# Allegro board FEMA_CBRS_1W_V0P4.brd (continued)
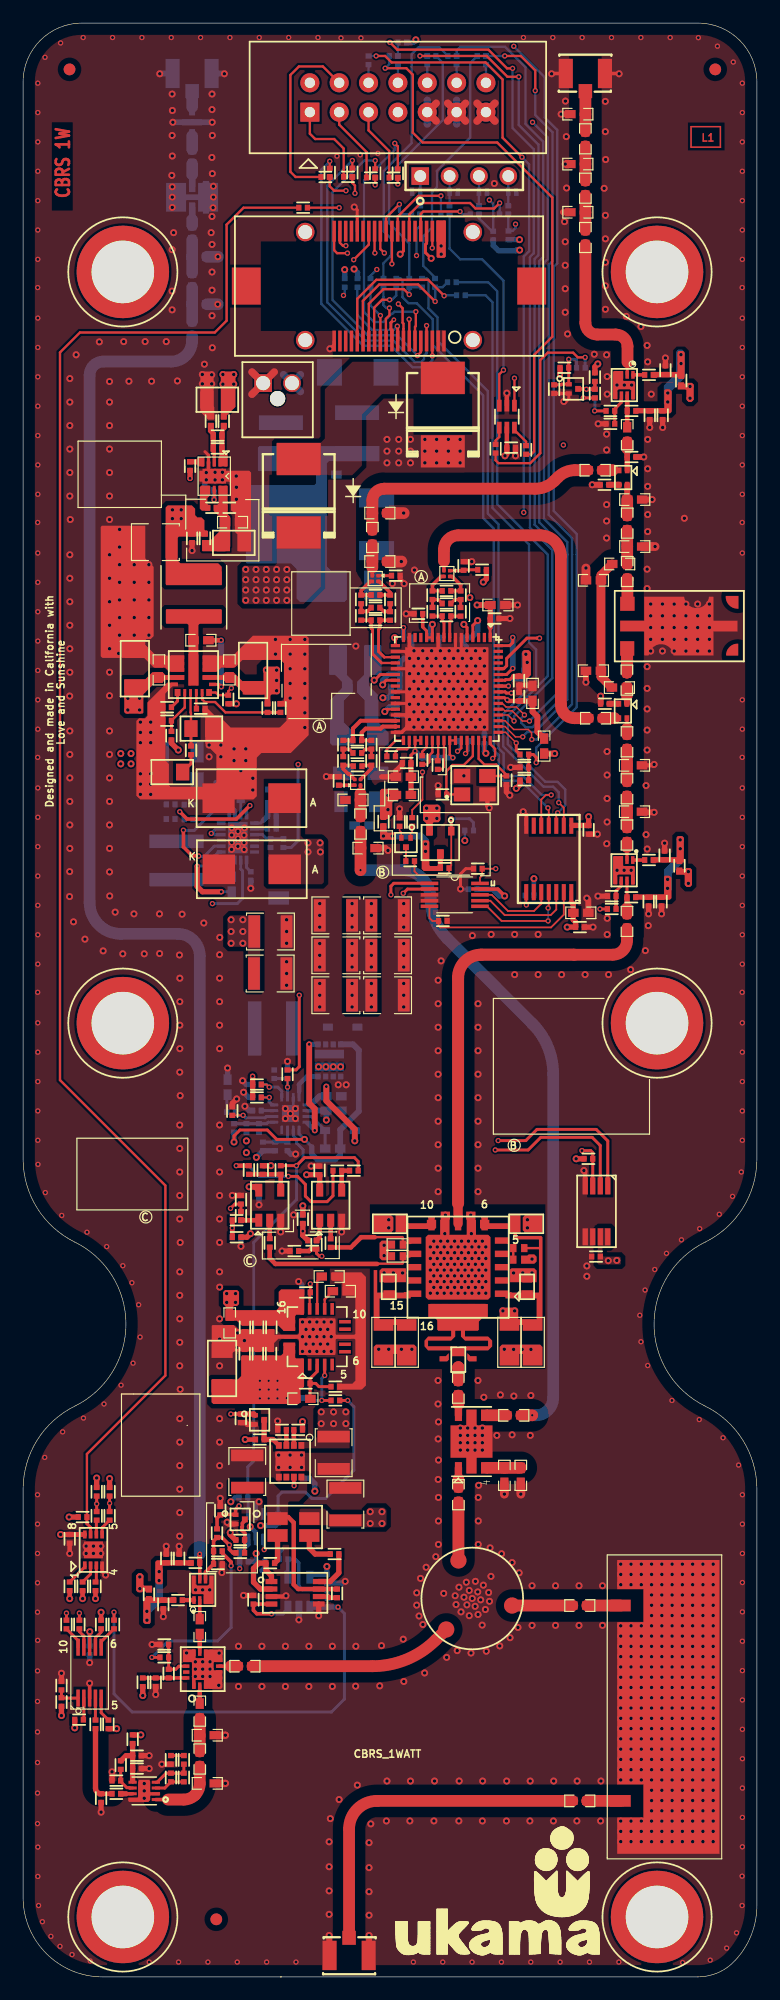
[diagram p0: board, top side]
## Copper pours and planes (outline as drawn; the poured copper is in the pictures) (continued)
GND on TOP: 49.43,64.64 49.28,64.8 48.39,64.8 48.31,64.72 48.31,63.32 48.42,63.22 48.92,63.22 49.03,63.12 49.03,62.61 48.97,62.56 48.68,62.56 48.4,62.28 48.4,60.35 48.48,60.27 49.34,60.27 49.43,60.36
GND on TOP: 24.98,83.52 26.1,83.52 26.18,83.59 26.18,93.22 26.05,93.35 25.21,93.35 25.09,93.22 25.09,92.15 24.86,91.92 22.39,91.92 22.29,91.82 22.29,85.7 22.6,85.39 24.3,85.39 24.71,84.99 24.71,83.79
GND on TOP, BOTTOM: 32.4,93.19 32.4,83.39 32.58,83.21 33.82,83.21 34.03,83.41 34.03,93.17 33.95,93.24 32.45,93.24
GND on BOTTOM: 17.14,106.93 14.57,106.93 14.47,106.83 14.47,99.97 14.57,99.87 14.9,99.87 14.93,99.9 14.93,102.16 15.15,102.39 15.61,102.39 15.64,102.41 15.64,105.08 15.69,105.13 17.11,105.13 17.39,105.41 17.39,106.68
GND on BOTTOM: 31.62,104.65 31.62,103.45 32.17,102.9 32.17,100.89 30.23,98.95 30.23,98.46 30.29,98.4 31.08,98.4 31.18,98.3 31.18,97.16 31.03,97 29.66,97 29.51,97.16 29.51,99.95 29.51,99.96 29.51,100.25 29.92,100.66 29.92,103.33 29.78,103.47 29.78,104.61 29.87,104.7 31.57,104.7
GND on BOTTOM: 24.98,83.52 26.1,83.52 26.18,83.59 26.18,93.8 26.08,93.9 21.23,93.9 21.2,93.88 21.2,92.81 21.28,92.74 21.81,92.74 22.31,92.24 22.31,91.83 22.29,91.82 22.29,85.7 22.6,85.39 24.3,85.39 24.71,84.99 24.71,83.79
GND on BOTTOM: 25.98,78.16 28.24,78.16 28.39,78 28.39,77.14 28.01,76.76 28.01,74.6 27.96,74.55 27.09,74.55 27.07,74.57 27.07,76.94 26.41,77.6 26.03,77.6 25.95,77.67 25.95,78.13
GND on BOTTOM: 30.32,139.89 30.32,137.67 30.39,137.59 31.9,137.59 32.08,137.41 32.08,135.48 32.56,135 37.95,135 38.2,135.26 38.2,138.05 37.9,138.35 33.68,138.35 33.15,138.89 33.15,139.7 32.92,139.93 30.35,139.93
GND on BOTTOM: 29.03,129.01 28.45,129.59 26.72,129.59 26.66,129.65 26.66,130.38 26.74,130.45 31.56,130.45 32.1,129.92 32.1,119.65 31.6,119.15 29.59,119.15 29.51,119.24 29.51,121.92 29.03,122.39
GND on SIG2: 6.88,1.02 2.73,2.73 1.02,6.88 1.02,42.19 2.07,45.88 4.93,48.46 9.92,56.47 4.93,64.47 2.07,67.05 1.02,70.74 1.02,163.92 2.21,166.79 5.08,167.98 58.42,167.98 61.29,166.79 62.48,163.92 62.48,70.74 61.43,67.05 58.57,64.47 53.58,56.47 58.57,48.46 61.43,45.88 62.48,42.19 62.48,6.18 62.07,3.99 60.87,2.11 59.76,1.31 58.43,1.02 ; 14 cut-outs
GND on PWR: 44.53,51.02 44.53,58.05 43.78,58.8 29.76,58.8 29.53,59.03 29.53,92.8 27.59,94.74 27.59,97.23 28.4,98.04 34.12,98.04 47.34,84.82 47.34,47.35 46.78,46.79 42.97,46.79 42.23,47.52 42.23,49.83 43.03,50.64 44.15,50.64
GND on PWR: 16.15,166.7 13.02,166.7 12.56,166.24 12.56,142.29 12.06,141.78 4.61,141.78 3.62,140.79 3.62,90.91 6.44,88.09 12.08,88.09 13.22,86.94 13.22,35.81 14.16,34.87 16.35,34.87 17.31,35.84 17.31,89.94 14.9,92.35 8.3,92.35 7.84,92.81 7.84,137.19 8.35,137.69 15.41,137.69 16.6,138.89 16.6,166.24
VCC_1V8 on TOP (solid shape): 36.11,101.22 36.11,100.05 35.93,99.87 35.53,99.87 35.45,99.8 35.45,98.78 35.4,98.73 34.94,98.73 34.89,98.78 34.89,99.77 34.61,100.05 34.61,101.24 34.76,101.4 35.93,101.4
VCC_1V8 on BOTTOM: 17.49,98.45 15.99,98.45 15.64,98.81 13.07,98.81 12.59,99.29 12.59,102.36 12.64,102.41 12.64,106.78 12.56,106.86 11.57,106.86 11.47,106.76 11.47,106.48 11.12,106.12 8.25,106.12 8.12,105.99 8.12,104.72 8.25,104.6 11.22,104.6 11.47,104.34 11.47,99.59 10.91,99.03 10.91,97.65 10.92,97.64 15.64,97.64 16.15,98.15 17.49,98.15 17.54,98.2 17.54,98.4
VCC_1V8 on SIG2: 6.58,94.87 6.02,95.42 6.02,108.03 6.84,108.84 9.7,108.84 9.7,106.76 10.1,106.76 10.1,106.3 11.05,106.3 11.05,106.76 11.51,106.76 11.51,108.84 22.12,108.84 23.04,107.92 23.04,101.24 24.54,99.75 33.25,99.75 33.71,100.2 33.71,101.42 34.01,101.73 38.86,101.73 39.09,101.49 39.09,95.46 38.51,94.87 ; 3 cut-outs
VCC_3.3V on TOP (solid shape): 36.58,151.9 36.58,148.82 36.46,148.7 35.86,148.7 35.77,148.79 35.77,151.93 36.55,151.93
VCC_3.3V on TOP (solid shape): 18.38,138.81 18.38,135.81 17.62,135.05 17.62,134.72 17.14,134.72 17.11,134.75 17.11,138.79 17.19,138.86 18.33,138.86
VCC_3.3V on TOP: 49.72,61.7 49.72,64.62 49.88,64.77 50.77,64.77 50.84,64.69 50.84,63.3 50.74,63.2 50.23,63.2 50.13,63.09 50.13,62.41 50.23,62.31 51.63,62.31 51.73,62.2 51.73,61.67 51.68,61.62 49.8,61.62
VCC_3.3V on PWR: 1.92,22.15 1.92,43.89 2.53,44.5 11.19,44.5 11.95,43.74 11.95,35.28 13.12,34.11 17.34,34.11 17.67,34.44 17.67,68.68 17.67,68.69 17.67,69.44 17.96,69.72 20.36,69.72 21.17,70.54 25.78,70.54 26.51,69.81 26.51,35.84 27.93,34.42 34.43,34.42 35.96,35.94 35.96,45.16 36.9,46.1 46.88,46.1 47.79,47.02 47.79,86 45.41,88.39 45.41,88.42 34.56,99.26 27.47,99.26 24.64,102.1 24.64,127.66 23.71,128.59 13.75,128.59 13.35,128.98 13.35,136.4 13.55,136.6 15.08,136.6 15.09,136.61 16.21,136.61 16.91,137.31 16.91,142.54 16.95,142.58 16.95,155.49 17.52,156.06 42.41,156.06 43.81,154.66 43.81,121.62 42.79,120.6 31.66,120.6 29.58,118.52 29.58,111.21 29.8,110.98 31.31,110.98 31.47,110.82 31.47,110.44 31.31,110.28 29.7,110.28 29.58,110.16 29.58,108.39 31.03,106.93 47.41,106.93 49.44,108.97 49.44,140.05 50.45,141.06 59.46,141.06 61.74,138.79 61.74,69.06 57.6,64.92 55.29,64.92 53.18,62.81 53.18,37.85 52.39,37.06 49.44,37.06 48.96,36.58 48.96,20.78 47.84,19.66 4.41,19.66
VCC_5V on TOP (solid shape): 10.42,34.72 10.42,33.9 10.48,33.84 11.14,33.84 11.17,33.82 11.17,33.39 11.12,33.34 10.35,33.34 10.28,33.27 9.93,33.27 9.79,33.42 9.79,34.73 9.97,34.91 10.23,34.91
VCC_5V on TOP (solid shape): 57.88,95.77 57.88,94.45 57.71,94.27 57.44,94.27 57.25,94.46 57.25,95.28 57.19,95.34 56.53,95.34 56.51,95.37 56.51,95.79 56.56,95.84 57.33,95.84 57.39,95.91 57.74,95.91
VCC_5V on TOP (solid shape): 58.03,137.73 58.03,136.42 57.85,136.24 57.58,136.24 57.4,136.43 57.4,137.25 57.34,137.31 56.68,137.31 56.65,137.33 56.65,137.76 56.7,137.81 57.47,137.81 57.54,137.88 57.88,137.88
VCC_5V on TOP (solid shape): 23.54,54.76 23.54,53.57 23.62,53.49 24.23,53.49 24.31,53.42 24.31,51.05 24,50.75 24,49.71 23.85,49.56 16.46,49.56 16.3,49.71 16.3,51.61 16.38,51.69 18.59,51.69 18.87,51.97 18.87,53.65 18.97,53.75 22.32,53.75 22.53,53.95 22.53,54.79 22.55,54.81 23.49,54.81
VCC_5V on SIG1: 9.65,22.99 9.65,47.88 15.16,53.39 36.47,53.39 40.87,57.79 40.87,70.08 41.83,71.04 41.83,72.42 40.28,73.97 40.28,94.41 44.03,98.17 47.84,98.17 51.44,101.76 51.44,136.14 52.2,136.91 61.21,136.91 62.07,136.05 62.07,93.56 60.2,91.69 52.58,91.69 47.88,87 47.88,76.85 52.6,72.13 52.6,39.07 48.73,35.2 48.73,21.26 48.17,20.7 11.94,20.7 ; 1 cut-out
VCC_5V5 on TOP (solid shape): 14.88,127 14.88,126.44 15.09,126.24 15.44,126.24 15.69,125.99 15.69,125.2 15.76,125.12 15.92,125.12 15.99,125.04 15.99,124.64 15.94,124.59 13.48,124.59 13.35,124.46 13.35,122.53 13.61,122.28 16.88,122.28 17.19,121.97 17.19,120.45 17.14,120.4 12.41,120.4 12.34,120.47 12.34,127.1 12.51,127.28 14.61,127.28
VCC_5V5 on TOP (solid shape): 24.33,59.41 24.33,57.38 24.23,57.28 23.64,57.28 23.54,57.18 23.54,55.96 23.47,55.88 22.55,55.88 22.09,56.34 18.92,56.34 18.5,56.76 17.53,56.76 17.52,56.77 17.52,58.01 17.31,58.22 17.31,59.23 17.49,59.41 18.51,59.41 18.69,59.23 18.69,58.22 18.51,58.04 18.25,58.04 18.15,57.94 18.15,57.73 18.21,57.67 21.93,57.67 22.12,57.86 22.12,59.26 22.32,59.46 24.28,59.46
VCC_5V5 on SIG1: 13.72,57.79 18.8,57.79 19.18,58.17 19.18,60.2 16.26,63.12 16.26,98.81 20.45,103 20.45,118.44 20.37,118.52 19,118.52 18.75,118.77 18.75,122.1 18.95,122.3 20.37,122.3 20.45,122.38 20.45,124.71 17.55,127.61 10.01,127.61 9.14,126.75 9.14,92.19 13.22,88.11 13.22,58.28 ; 4 cut-outs
VCC_5V_DRIV on TOP (solid shape): 56.11,95.08 56.11,93.31 55.97,93.18 52.98,93.18 52.94,93.21 52.94,93.62 52.97,93.64 53.33,93.64 53.34,93.63 55.45,93.63 55.47,93.65 55.47,95.17 55.55,95.25 55.94,95.25
VCC_5V_DRIV on TOP (solid shape): 57.17,98.53 57.17,96.41 57.15,96.39 54.83,96.39 54.78,96.34 54.42,96.34 54.33,96.43 54.33,96.81 54.38,96.86 56.54,96.86 56.56,96.88 56.56,98.59 56.64,98.67 57.04,98.67
VCC_5V_DRIV on BOTTOM (solid shape): 57.19,98.54 57.19,96.47 56.15,95.43 56.15,93.99 55.97,93.82 55.62,93.82 55.46,93.97 55.46,95.78 56.53,96.85 56.53,98.51 56.68,98.67 57.06,98.67
VCC_5V_LNA1 on TOP (solid shape): 13.25,32.78 13.25,32.4 13.2,32.35 11.03,32.35 11.01,32.33 11.01,30.62 10.93,30.54 10.54,30.54 10.41,30.67 10.41,32.8 10.42,32.82 12.75,32.82 12.8,32.87 13.16,32.87
VCC_5V_LNA1 on TOP (solid shape): 14.75,36.02 14.75,35.59 14.71,35.54 14.25,35.54 14.21,35.58 12.09,35.58 12.08,35.56 12.08,34.04 12,33.97 11.61,33.97 11.44,34.13 11.44,35.9 11.57,36.04 14.74,36.04
VCC_5V_LNA1 on BOTTOM (solid shape): 12.11,35.26 12.11,32.54 11.07,31.5 11.07,30.71 10.89,30.53 10.53,30.53 10.38,30.68 10.38,31.83 11.45,32.89 11.45,35.23 11.6,35.38 11.98,35.38
VCC_5V_PD on TOP (solid shape): 56.12,137.15 56.12,135.38 55.99,135.25 52.95,135.25 52.89,135.31 52.89,135.53 53.06,135.71 53.35,135.71 53.36,135.7 55.47,135.7 55.49,135.72 55.49,137.24 55.56,137.32 55.96,137.32
VCC_5V_PD on TOP (solid shape): 57.24,140.5 57.24,138.38 57.22,138.36 54.9,138.36 54.85,138.31 54.49,138.31 54.4,138.39 54.4,138.78 54.45,138.83 56.61,138.83 56.63,138.85 56.63,140.55 56.71,140.64 57.11,140.64
VCC_5V_PD on BOTTOM (solid shape): 57.26,140.55 57.26,138.3 56.14,137.18 56.14,136.08 55.96,135.9 55.6,135.9 55.45,136.05 55.45,137.67 56.52,138.73 56.52,140.6 56.67,140.75 57.05,140.75
VCC_12V on TOP (solid shape): 12.32,112.61 13.93,112.61 13.94,112.6 13.94,112.2 13.93,112.19 12.28,112.19 12.04,111.95 11.41,111.95 10.41,110.95 10.41,109.35 10.33,109.27 8.88,109.27 8.75,109.4 8.75,112.22 8.77,112.24 10.57,112.24 11.19,112.86 12.07,112.86
VCC_12V on TOP (solid shape): 22.22,113.2 22.22,111.07 22.08,110.94 21.51,110.94 21.39,110.83 21.39,109.93 21.36,109.9 20.9,109.9 20.9,110.9 20.87,110.93 19.2,110.93 18.18,111.95 17.57,111.95 17.32,112.2 15.54,112.2 15.53,112.21 15.53,112.59 15.54,112.6 17.23,112.6 17.5,112.86 18.19,112.86 18.98,112.08 20.78,112.08 20.8,112.11 20.8,113.22 20.92,113.34 22.07,113.34
VCC_12V on TOP: 24.26,118.75 19.1,118.75 18.93,118.92 18.93,121.87 19.13,122.07 21.77,122.07 21.95,122.25 21.95,126.34 21.95,126.34 25.76,126.34 25.76,126.33 25.76,120.25
VCC_12V on TOP: 19.45,85.42 19.45,89.05 19.4,89.1 17.87,89.1 17.69,89.28 17.69,91.57 17.95,91.82 20.51,91.82 20.51,85.42 20.46,85.37 19.5,85.37
VCC_12V on TOP: 25.76,98.45 25.78,98.45 25.8,98.44 26.01,98.22 26.02,98.21 26.03,98.19 26.03,94.68 25.86,94.51 21.23,94.51 21.21,94.54 21.21,103.25 24.03,103.25 24.03,98.7 24.28,98.45
VCC_12V on BOTTOM: 21.99,78.23 20.46,78.23 19.45,79.25 19.45,89.05 19.42,89.08 17.9,89.08 17.69,89.28 17.69,91.57 17.95,91.82 20.57,91.82 20.62,91.77 20.62,79.32 21.2,78.74 21.94,78.74 21.99,78.69
VCC_12V on BOTTOM: 8.58,111.07 18.33,111.07 20.95,113.69 22.27,113.69 22.5,113.46 22.5,108.64 22.34,108.48 8.58,108.48 8.42,108.64 8.42,110.92
VCC_12V on BOTTOM: 19.14,73.28 21.91,73.28 22.24,73.61 22.47,73.61 22.5,73.58 22.5,72.9 22.42,72.82 19.73,72.82 19.65,72.75 19.65,71.12 19.52,70.99 19.12,70.99 19.02,71.09 19.02,72.52 19.07,72.57 19.07,73.2
VCC_12V on BOTTOM: 19.65,98.48 20.41,98.48 20.97,97.92 21.63,97.92 21.68,97.87 21.68,97 21.76,96.93 24.04,96.93 24.22,97.1 24.22,98.25 24.38,98.4 26.18,98.4 26.23,98.35 26.23,96.57 25.39,95.73 21.23,95.73 21.17,95.78 21.17,97.08 21.1,97.16 19.68,97.16 19.63,97.21 19.63,98.45
VCC_12V on BOTTOM: 28.59,100.82 28.59,104.66 28.55,104.7 26.8,104.7 26.75,104.65 26.75,102.62 26.92,102.44 26.92,100.76 26.95,100.74 27.81,100.74 28.22,100.33 28.22,99.57 27.05,98.4 24.38,98.4 24.22,98.25 24.22,97.04 24.31,96.95 26.97,96.95 29.13,99.11 29.13,100.28
VCC_12V on PWR: 12.07,124.84 23.09,124.84 23.88,124.05 23.88,99.47 24.62,98.73 26.09,98.73 26.8,98.02 26.8,73.33 25.35,71.88 21.39,71.88 20.14,70.64 18.16,70.64 17.68,71.12 17.68,76.63 17.71,76.66 17.71,94.31 17.76,94.36 17.15,94.97 14.28,94.97 11.84,97.41 11.84,124.61
VCC_12VDC on BOTTOM: 30.84,136.04 30.76,136.12 28.06,136.12 27.61,136.57 27.61,139.93 27.48,140.06 25.5,140.06 25.4,139.95 25.4,139.4 25.27,139.27 22.25,139.27 22.02,139.04 22.02,136.96 22.21,136.77 25.31,136.77 25.4,136.68 25.4,135.81 25.27,135.69 20.37,135.69 20.29,135.61 20.29,133.87 20.36,133.81 30.61,133.81 30.84,134.04
VCC_PA on TOP: 23.87,46.28 25.01,46.28 25.49,46.76 25.49,48.46 25.5,48.47 25.5,48.99 25.7,49.2 28.02,49.2 28.26,48.95 28.26,45.72 23.87,45.72 23.82,45.77 23.82,46.23
VCC_PA on TOP: 28.03,83.44 27.96,83.52 27.96,93.24 28.01,93.29 30.57,93.29 30.65,93.22 30.65,83.52 30.57,83.44
VCC_PA on BOTTOM: 28.49,81.84 28.49,82.98 27.96,83.52 27.96,93.24 28.01,93.29 30.57,93.29 30.65,93.22 30.65,83.52 30.34,83.21 29.61,83.21 29.38,82.98 29.38,81.84 29.35,81.81 28.52,81.81
VCC_PA on SIG2: 21.21,46.96 19.86,48.31 19.86,78.16 24.63,82.93 24.63,92.68 25.21,93.27 25.21,90.83 26.14,90.83 26.14,93.27 33.16,93.27 33.75,92.68 33.75,74.45 29.38,70.08 29.38,47.79 28.55,46.96 ; 8 cut-outs
VCC_RFPAL_1V8 on TOP (solid shape): 31.44,99.78 31.44,99.07 31.52,98.98 32.16,98.98 32.26,98.88 32.26,98.48 32.16,98.37 30.96,98.37 30.89,98.45 30.89,99.74 30.93,99.78 31.44,99.78
VCC_RFPAL_1V8 on TOP (solid shape): 35.15,98.2 35.15,96.16 35.23,96.09 35.84,96.09 35.89,96.14 35.89,96.65 35.81,96.72 35.81,97.51 35.84,97.54 36.37,97.54 36.4,97.51 36.4,96.75 36.32,96.67 36.32,95.68 36.3,95.66 34.67,95.66 34.49,95.83 34.49,98.17 34.62,98.3 35.05,98.3
VCC_RFPAL_1V8 on BOTTOM (solid shape): 35.13,98.4 35.13,97.38 34.92,97.18 34.7,97.18 34.52,97.36 34.52,98.17 34.32,98.37 31.04,98.37 30.89,98.53 30.89,98.81 31.06,98.98 34.54,98.98
VDD_LIN_1.8V on SIG2: 47.75,106.68 47.24,107.19 33.53,107.19 32.77,107.95 32.77,114.68 33.53,115.44 43.31,115.44 43.5,115.64 43.5,123.98 43.25,124.23 29.79,124.23 28.32,122.76 28.32,101.09 29.1,100.32 32.88,100.32 33.26,100.7 33.26,101.84 33.53,102.11 47.24,102.11 47.75,102.62
VDD_LIN_3.3V on TOP (solid shape): 43.94,114.57 43.94,112.61 43.59,112.26 42.66,112.26 42.65,112.27 42.65,112.71 42.66,112.72 43.16,112.72 43.21,112.77 43.21,114.63 43.33,114.76 43.75,114.76
VDD_LIN_3.3V on BOTTOM (solid shape): 43.93,114.58 43.93,113.55 43.63,113.24 43.63,112.8 43.62,112.8 43.14,112.8 43.12,112.82 43.12,112.89 43.12,112.89 43.12,114.53 43.3,114.71 43.8,114.71
VDD_LIN_3.3V on PWR: 48.57,120.42 44.4,120.42 43.41,119.43 31.55,119.43 30.03,117.91 30.03,109.22 31.68,107.57 45.62,107.57 48.8,110.74 48.8,120.19
(no net) on TOP: 32.45,102.77 31.03,102.77 30.88,102.62 30.88,100.12 30.93,100.07 31.5,100.07 31.94,100.51 31.94,101.57 32.1,101.73 32.4,101.73 32.48,101.8 32.48,102.74
(no net) on BOTTOM: 31.01,115.14 31.01,112.65 30.99,112.62 30.14,112.62 29.93,112.41 29.93,111.7 30.73,110.89 30.73,108.51 31.62,107.62 31.62,106.58 31.57,106.53 29.79,106.53 29.76,106.56 29.76,108.42 29.57,108.61 29.57,110.41 28.91,111.07 28.91,112.04 29.51,112.65 29.51,115.14 29.59,115.21 30.94,115.21
(no net) on BOTTOM: 26.49,115.11 26.49,112.67 26.52,112.65 26.97,112.65 27.58,112.04 27.58,111.48 26.56,110.46 26.56,106.71 26.75,106.53 28.55,106.53 28.59,106.57 28.59,107.68 27.75,108.52 27.75,110.38 28.52,111.15 28.52,112.12 28.02,112.62 28.02,115.14 27.97,115.19 26.57,115.19
(no net) on BOTTOM: 20.32,132.28 20.32,130.33 20.4,130.25 25.25,130.25 25.35,130.15 25.35,129.18 25.2,129.03 19.33,129.03 19.28,128.98 19.28,122.33 19.33,122.28 23.16,122.28 23.67,121.76 23.67,119.24 23.96,118.94 27.83,118.94 28.01,119.12 28.01,121.64 28,121.65 26.65,121.65 26.28,122.02 26.28,130.91 26.48,131.11 30.81,131.11 30.84,131.14 30.84,132.38 30.81,132.41 20.45,132.41
PA_VGS_C on TOP (solid shape): 33.14,62.44 33.54,62.44 33.54,62.24 33.14,62.24 33.14,61.99 32.97,61.99 32.97,61.69 32.87,61.59 30.34,61.59 30.34,61.79 32.77,61.79 32.77,61.99 32.59,61.99 32.59,62.69 33.14,62.69
PA_VGS_P on TOP (solid shape): 32.97,63.99 32.97,63.69 33.14,63.69 33.14,63.59 33.54,63.59 33.54,63.39 33.14,63.39 33.14,62.99 32.59,62.99 32.59,63.69 32.77,63.69 32.77,63.89 30.34,63.89 30.34,64.09 32.87,64.09
VDS_PA1 on TOP (solid shape): 43.04,64.39 42.74,64.39 42.74,64.09 44.84,64.09 44.94,63.99 44.94,56.89 44.95,56.89 44.95,56.39 44.94,56.39 44.94,55.89 43.24,55.89 43.24,56.39 42.94,56.39 42.94,55.89 41.24,55.89 41.24,57.79 41.34,57.89 42.69,57.89 42.84,57.73 42.84,56.94 42.89,56.89 44.44,56.89 44.44,58.69 41.74,58.69 41.74,59.19 43.11,59.19 43.11,59.39 44.11,59.39 44.11,59.19 44.64,59.19 44.64,62.94 43.64,62.94 43.64,62.69 43.09,62.69 43.09,63.39 43.64,63.39 43.64,63.14 43.64,63.14 44.64,63.14 44.64,63.79 42.54,63.79 42.44,63.89 42.44,64.39 42.14,64.39 42.14,64.69 39.64,64.69 39.54,64.79 39.54,65.49 40.34,65.49 40.34,65.19 42.14,65.19 42.14,65.89 43.04,65.89
VDS_PA1 on TOP: 26.09,40.51 24.03,40.51 23.93,40.41 23.93,39.14 24,39.07 26.31,39.07 26.48,38.89 31.24,38.89 31.45,39.09 31.45,40.39 31.24,40.59 29.92,40.59 29.69,40.36 29.69,40.13 29.59,40.03 26.57,40.03
VDS_PA1 on PWR: 43.11,51 37.9,51 35.14,48.25 35.14,36.22 34.2,35.28 28.39,35.28 27.42,36.25 27.42,57.14 28.3,58.01 43.15,58.01 43.65,57.51 43.65,51.55
N120221 on BOTTOM: 18.48,96.98 18.48,94.74 18.43,94.69 15.99,94.69 15.64,94.34 10.99,94.34 10.91,94.41 10.91,95.5 10.94,95.53 17.59,95.53 17.69,95.63 17.69,96.95 17.77,97.03 18.43,97.03
N123470 on BOTTOM: 14.16,99.92 14.11,99.87 13.05,99.87 12.89,100.03 12.89,101.63 12.97,101.7 14.11,101.7 14.16,101.65
N170899 on BOTTOM: 22.77,79.68 23.92,79.68 23.94,79.71 23.94,81.53 24.3,81.89 25.9,81.89 25.95,81.84 25.95,80.34 25.82,80.21 25.26,80.21 25.21,80.16 25.21,79.48 25.26,79.43 27.78,79.43 27.8,79.45 27.8,80.9 26.81,81.89 26.81,82.47 26.64,82.65 24.3,82.65 23.94,83.01 23.94,84.35 23.92,84.38 22.75,84.38 22.75,79.71
N172938 on BOTTOM (solid shape): 30.79,132.41 30.81,132.41 30.84,132.36 30.84,131.16 30.83,131.14 30.79,131.11 26.5,131.11 26.48,131.11 26.47,131.1 26.29,130.93 26.28,130.91 26.28,130.89 26.28,122.04 26.28,122.02 26.29,122.01 26.63,121.67 26.65,121.65 26.67,121.65 27.97,121.65 28.01,121.64 28.01,119.14 28,119.12 27.99,119.1 27.84,118.96 27.83,118.94 27.81,118.94 23.99,118.94 23.97,118.94 23.95,118.96 23.69,119.22 23.67,119.24 23.67,119.26 23.67,121.74 23.67,121.76 23.66,121.78 23.17,122.26 23.16,122.27 23.14,122.28 19.35,122.28 19.33,122.28 19.31,122.29 19.29,122.31 19.28,122.33 19.28,122.35 19.28,128.96 19.28,128.98 19.29,129 19.31,129.02 19.33,129.03 19.35,129.03 25.18,129.03 25.2,129.04 25.21,129.05 25.33,129.17 25.35,129.19 25.35,129.21 25.35,130.13 25.35,130.15 25.33,130.16 25.26,130.24 25.25,130.25 25.23,130.25 20.42,130.25 20.4,130.26 20.38,130.27 20.33,130.31 20.32,130.33 20.32,130.35 20.32,132.26 20.32,132.28 20.33,132.3 20.43,132.4 20.45,132.41 20.47,132.41
N195418 on TOP: 18.03,42.82 21.5,42.82 22.27,42.06 22.29,42.09 23.6,42.09 23.77,42.26 23.77,43.48 23.87,43.59 24.35,43.59 24.58,43.36 24.58,41.83 23.87,41.12 23.04,41.12 22.94,41.02 22.94,39.12 22.89,39.07 21.16,39.07 21.12,39.11 21.12,41.49 20.79,41.81 18,41.81 18,42.8
N5597824 on TOP (solid shape): 40.12,58.12 40.12,57.38 39.44,56.69 39.44,55.99 39.34,55.89 38.24,55.89 38.24,55.39 40.24,55.39 40.59,55.04 40.59,54.54 40.24,54.19 38.21,54.19 38.24,54.16 38.24,53.59 38.14,53.69 37.14,53.69 37.04,53.59 37.04,54.16 37.08,54.19 35.04,54.19 34.74,54.54 34.74,55.04 35.04,55.04 35.04,54.54 37.49,54.54 37.64,54.39 37.79,54.54 40.24,54.54 40.24,55.04 38.24,55.04 37.89,55.39 37.89,55.89 37.39,55.89 37.39,55.39 37.04,55.04 34.74,55.04 35.04,55.39 37.04,55.39 37.04,55.89 35.94,55.89 35.84,55.99 35.84,56.79 35.45,57.19 35.45,57.2 35.14,57.51 35.14,58.12 35.25,58.22 40.02,58.22
N5598060 on TOP (solid shape): 33.14,65.19 34.94,65.19 34.94,65.49 35.74,65.49 35.74,64.79 35.64,64.69 33.14,64.69 33.14,64.39 32.24,64.39 32.24,65.89 33.14,65.89
N5598148 on TOP (solid shape): 30.64,59.19 31.17,59.19 31.17,59.39 32.17,59.39 32.17,59.19 33.54,59.19 33.54,58.69 30.84,58.69 30.84,56.89 34.04,56.89 34.04,55.89 32.34,55.89 32.34,56.39 32.04,56.39 32.04,55.89 30.34,55.89 30.34,61.14 30.64,61.14
N5619357 on TOP (solid shape): 17.18,118.24 17.18,117.12 17.13,117.07 15.3,117.07 15.17,116.94 15.17,111.7 14.31,111.7 14.31,116.94 14.18,117.07 12.43,117.07 12.35,117.14 12.35,118.24 12.4,118.29 17.13,118.29
N5630487 on TOP (solid shape): 17.62,134.39 17.62,133.91 17.44,133.73 17.44,131.95 17.69,131.7 17.69,130.68 17.67,130.66 16.91,130.66 16.91,131.37 16.98,131.45 16.98,133.6 17.11,133.73 17.11,134.37 17.16,134.42 17.59,134.42
N5630581 on TOP (solid shape): 17.69,128.93 17.69,126.52 17.92,126.29 17.92,123.72 17.52,123.32 15.54,123.32 15.49,123.37 15.49,124.26 15.51,124.28 16.25,124.28 17.01,125.04 17.01,126.29 16.5,126.8 16.5,127.33 16.81,127.33 16.91,127.43 16.91,128.96 16.93,128.98 17.64,128.98
N5630797 on TOP (solid shape): 16.5,134.39 16.5,133.76 16.68,133.58 16.68,130.68 16.65,130.66 16.42,130.66 16.4,130.68 16.4,131.78 16.22,131.95 16.22,133.43 15.99,133.65 15.99,134.42 16.48,134.42
N5630845 on TOP (solid shape): 16.2,128.93 16.2,128.17 15.94,127.91 15.94,127.41 16.04,127.3 16.2,127.3 16.2,126.9 16.12,126.82 15.47,126.82 15.29,127 15.29,128.86 15.41,128.98 16.15,128.98
N5630921 on TOP (solid shape): 15.69,131.45 15.69,130.71 15.64,130.66 15.18,130.66 15,130.84 14.19,130.84 14.19,131.29 15.03,131.29 15.21,131.47 15.66,131.47
N5658926 on TOP: 29.32,130.74 28.48,129.89 21.95,129.89 21.91,129.93 21.91,132.66 21.94,132.69 25.74,132.69 26.12,133.07 26.12,137.33 28.49,139.71 35.47,139.71 35.76,140 35.76,140.68 35.76,140.69 35.76,142.41 35.78,142.43 36.55,142.43 36.58,142.41 36.58,140.15 36.98,139.75 38.21,139.75 38.25,139.7 38.25,136.93 38.23,136.91 31.05,136.91 29.32,135.18
GND on BOTTOM: 2.07,67.05 1.02,70.74 1.02,163.92 2.21,166.79 5.08,167.98 58.42,167.98 61.29,166.79 62.48,163.92 62.48,70.74 61.43,67.05 58.57,64.47 53.58,56.47 58.57,48.46 61.43,45.88 62.48,42.19 62.48,6.18 62.07,3.99 60.87,2.11 59.76,1.31 58.43,1.02 6.88,1.02 2.73,2.73 1.02,6.88 1.02,42.19 2.07,45.88 4.93,48.46 9.92,56.47 4.93,64.47 ; 27 cut-outs
GND on GND1: 2.07,67.05 1.02,70.74 1.02,163.92 2.21,166.79 5.08,167.98 58.42,167.98 61.29,166.79 62.48,163.92 62.48,70.74 61.43,67.05 58.57,64.47 53.58,56.47 58.57,48.46 61.43,45.88 62.48,42.19 62.48,6.18 62.07,3.99 60.87,2.11 59.76,1.31 58.43,1.02 6.88,1.02 2.73,2.73 1.02,6.88 1.02,42.19 2.07,45.88 4.93,48.46 9.92,56.47 4.93,64.47
GND on SIG1: 2.07,67.05 1.02,70.74 1.02,163.92 2.21,166.79 5.08,167.98 58.42,167.98 61.29,166.79 62.48,163.92 62.48,70.74 61.43,67.05 58.57,64.47 53.58,56.47 58.57,48.46 61.43,45.88 62.48,42.19 62.48,6.18 62.07,3.99 60.87,2.11 59.76,1.31 58.43,1.02 6.88,1.02 2.73,2.73 1.02,6.88 1.02,42.19 2.07,45.88 4.93,48.46 9.92,56.47 4.93,64.47 ; 15 cut-outs
VDD_LIN_1.8V on TOP (solid shape): 32.43,102.77 32.45,102.76 32.48,102.73 32.48,101.82 32.47,101.8 32.46,101.79 32.42,101.74 32.4,101.73 32.38,101.73 32.12,101.73 32.1,101.72 32.08,101.71 31.96,101.59 31.95,101.57 31.94,101.55 31.94,100.53 31.94,100.51 31.93,100.49 31.61,100.17 31.59,100.16 31.58,100.16 30.93,100.16 30.89,100.17 30.88,100.21 30.88,102.6 30.88,102.61 30.89,102.63 31.02,102.75 31.03,102.76 31.05,102.77
Net_314 on TOP (solid shape): 60.83,114.3 61.13,115.04 61.88,115.32 61.88,114.3
Net_315 on TOP (solid shape): 61.91,118.35 61.1,118.65 60.81,119.45 61.91,119.45
N173072 on BOTTOM (solid shape): 27.94,115.19 27.96,115.19 27.98,115.17 28,115.15 28.01,115.14 28.02,115.12 28.02,112.64 28.02,112.63 28.03,112.61 28.51,112.13 28.52,112.11 28.52,112.09 28.52,111.17 28.52,111.15 28.51,111.14 27.77,110.39 27.76,110.38 27.75,110.36 27.75,108.54 27.76,108.52 27.77,108.5 28.58,107.69 28.59,107.68 28.59,107.66 28.59,106.59 28.59,106.57 28.55,106.53 28.53,106.53 26.77,106.53 26.75,106.53 26.73,106.54 26.57,106.7 26.56,106.72 26.56,106.74 26.56,110.43 26.56,110.45 26.57,110.47 27.57,111.47 27.58,111.48 27.58,111.5 27.58,112.02 27.58,112.04 27.57,112.05 26.99,112.63 26.97,112.65 26.95,112.65 26.54,112.65 26.52,112.65 26.49,112.7 26.49,115.09 26.5,115.11 26.51,115.13 26.55,115.17 26.57,115.19 26.59,115.19
N173370 on BOTTOM (solid shape): 30.92,115.21 30.94,115.21 30.95,115.2 31,115.15 31.01,115.14 31.01,115.12 31.01,112.7 31.01,112.68 31,112.66 30.98,112.64 30.96,112.63 30.94,112.62 30.16,112.62 30.14,112.62 30.13,112.61 29.94,112.42 29.93,112.41 29.93,112.39 29.93,111.72 29.93,111.7 29.94,111.68 30.72,110.9 30.73,110.89 30.73,110.87 30.68,110.65 30.73,110.43 30.73,110.41 30.73,108.53 30.74,108.51 30.75,108.49 31.61,107.63 31.62,107.62 31.62,107.6 31.62,106.6 31.62,106.58 31.61,106.56 31.59,106.54 31.57,106.53 31.55,106.53 29.82,106.53 29.8,106.53 29.76,106.56 29.76,106.58 29.76,108.4 29.76,108.41 29.75,108.43 29.58,108.6 29.57,108.61 29.57,108.63 29.57,110.39 29.56,110.41 29.55,110.43 28.92,111.06 28.91,111.08 28.91,111.1 28.91,112.02 28.91,112.04 28.92,112.05 29.5,112.63 29.51,112.65 29.51,112.67 29.51,115.12 29.52,115.14 29.53,115.15 29.58,115.2 29.59,115.21 29.61,115.21

Small or netless copper shapes (teardrops, artwork), in the pictures only: 3 on TOP, 2 on BOTTOM

## Text on the board
Ref Des/Silkscreen Bottom: Love and Sunshine | Designed and made in California with | D | E
User.Comments: UNLESS OTHERWISE SPECIFIED | ALL DIMENSIONS ARE IN | INCHES | DATE | MILS | SIZE | SCALE | DRAWING TITLE | PART NUMBER | 1/1 | SHEET | 1  OF | 1 | Rev | D | A | CAD | DATA | 20-08-2019 | DO NOT MANUALLY | C | B | 8 | 7 | 6 | 5 | 4 | 3 | X | 2 | 11. COMPARE SUPPLIED IPC-D-356 NETLIST TO SUPPLIED GERBER DATA | 10. REQUEST FABRICATOR TO ADD TEAR DROPS IF NOT ADDED IN THE GERBERS. | 15. DONT KEEP PCB MANUFACTURER LOGO IN PCB. | 13. ALL VIA ON PAD SHOULD BE FILLED WITH FLAT SURFACE FINISH | 14. BOARD INFORMATION: | 12  CONTROLLED IMPEDANCE: SEE LAYER STACK AND IMPEDANCE CHART. | 5. SILK SCREEN LEGEND TO BE APPLIED PER LAYER STACKUP USING WHITE | 4. SOLDER MASK MATERIAL SHALL MEET ALL THE REQUIREMENTS OF | IPC-SM-840C AND SHALL BE MATT BLACK IN COLOR AND APPLIED OVER BARE COPPER. | 3. SURFACE FINISH:  IMMERSION GOLD | COPPER: AS PER STACKUP. | NON-CONDUCTIVE EPOXY INK. | 2. MATERIAL:. 370HR | DIELECTRIC:  FR4 PER IPC-4101. | U.L. RATING: 94V-0 MINIMUM | NOTES: UNLESS OTHERWISE SPECIFIED. | 7. PCB MUST BE 100% ELECTRICALLY TESTED FOR SHORTS AND CONTINUITY STRICTLY | 6. GERBER SHOULD BE VERIFIED FOR 100% CONTINUITY AND SHORTS TESTING STRICTLY | NOTE: THE IMPEDANCE CHARTS WILL REFLECT ALL POSSIBLE | 9. DIELECTRICS AND LINEWIDTHS MAY BE ADJUSTED TO MEET THE IMPEDANCE | IMPEDANCE VALUES WHICH MAY BE REQUIRED IN THE DESIGN. NOT | 8. BOW AND TWIST SHALL NOT EXCEED 0.7% OF LONGEST SIDE . | ALL VALUES WILL BE PRESENT ON EACH LAYER. | 1. FABRICATE AS PER IPC-6011 AND IPC-6012 CLASS 2. | 12. | B. MINIMUM CONDUCTOR WIDTH : 4 MIL | A. MINIMUM CONDUCTOR SPACING : - MIL | WITH THE IPC-D-356A NETLIST | USING IPC-D-356A NETLIST PROVIDED IN CAM DIRECTORY ONLY. | PRIOR TO FABRICATION. | NOTE: EXCEPT (FIG C) VIAS IN DRILL TABLE & SOLDER MASK EXPOSED VIAS
TOP: L1 | CBRS 1W
Ref Des/Silkscreen Top: CBRS_1WATT | C | B | A | Designed and made in California with | Love and Sunshine
PAGE_OUTLINE: UPDATE
User.17: CAUTION | SENSITIVE ELECTRONIC DEVICES-CLASS 1
User.45: Vpeak | Gnd | Vdd | Vcarr | J1 | AMP-JJB-2018 | 007-rev3 | BLM10D3438 | 35AB | T1 | T3 | C8 | C7 | C2 | C1 | 5 | 8 | 9 | 4 | 12 | 16 | 13 | C9 | C11 | C10 | C3 | C5 | C6 | C4 | T2 | T4 | J2 | L1 | PRELIMINARY | OC - FEMA - GSM_2W v1 Rev-A | LAYER(S) | 1 | 6 | TRACE WIDTH | 13.500 | DIFFRENTIAL IMPEDANCE CHART | TRACE | SEPARATION | 7.000 | IMPEDANCE | 100 OHMS | REF LAYER | 2 | +/- 10% | TOL | 3 | ---- | 40.000 | SINGLE ENDED IMPEDANCE CHART | 50 OHMS | (61.675  +/- 10 % Mils) | SECONDARY SIDE, SILK SCREEN | PRIMARY SIDE, SOLDER MASK | PRIMARY SIDE, SILK SCREEN | PRIMARY SIDE, LAYER 1 - 1.760 MIL | SECONDARY SIDE, LAYER 6 - 1.760 MIL | SECONDARY SIDE, SOLDER MASK | Rogers4350B | DIELECTRIC | INNER1 LAYER, LAYER 3 - 0.700 MIL | POWER LAYER, LAYER 5-  0.579 MIL | GROUND LAYER, LAYER 2 - 0.579 MIL | INNER2 LAYER, LAYER 4 - 0.700 MIL | 4.146 MIL | 19.685 MIL | 1.00 MIL | 4.00 MIL | FILM LAYER : | DESIGNED AT: | DATE       :20-08-2019 | SOLDERMASK TOP | SILKSCREEN TOP | SOLDERMASK BOTTOM | TOP SIDE | SILKSCREEN BOTTOM | SOLDER PASTE TOP | SOLDER PASTE BOTTOM | RelySys Technologies | LAYER4 | FABRICATION DRAWING | LAYER3 | LAYER2 | LAYER5 | BOTTOM SIDE | LAYER6 | ASSEMBLY BOTTOM | LAYER7 | LAYER8 | ASSEMBLY TOP | LAYER9 | UNITS -MILS | FIGURE | SIZE | 8.0 | 10.0 | 12.0 | 35.0 | 40.0 | 47.244 | 48.0 | 212.992 | 52.0 | DRILL CHART: TOP to BOTTOM | ALL UNITS ARE IN MILS | TOLERANCE | +3.0/-3.0 | PLATED | NON-PLATED | QTY | 14 | 321 | 1348
